# KiCad board main.kicad_pcb (continued)
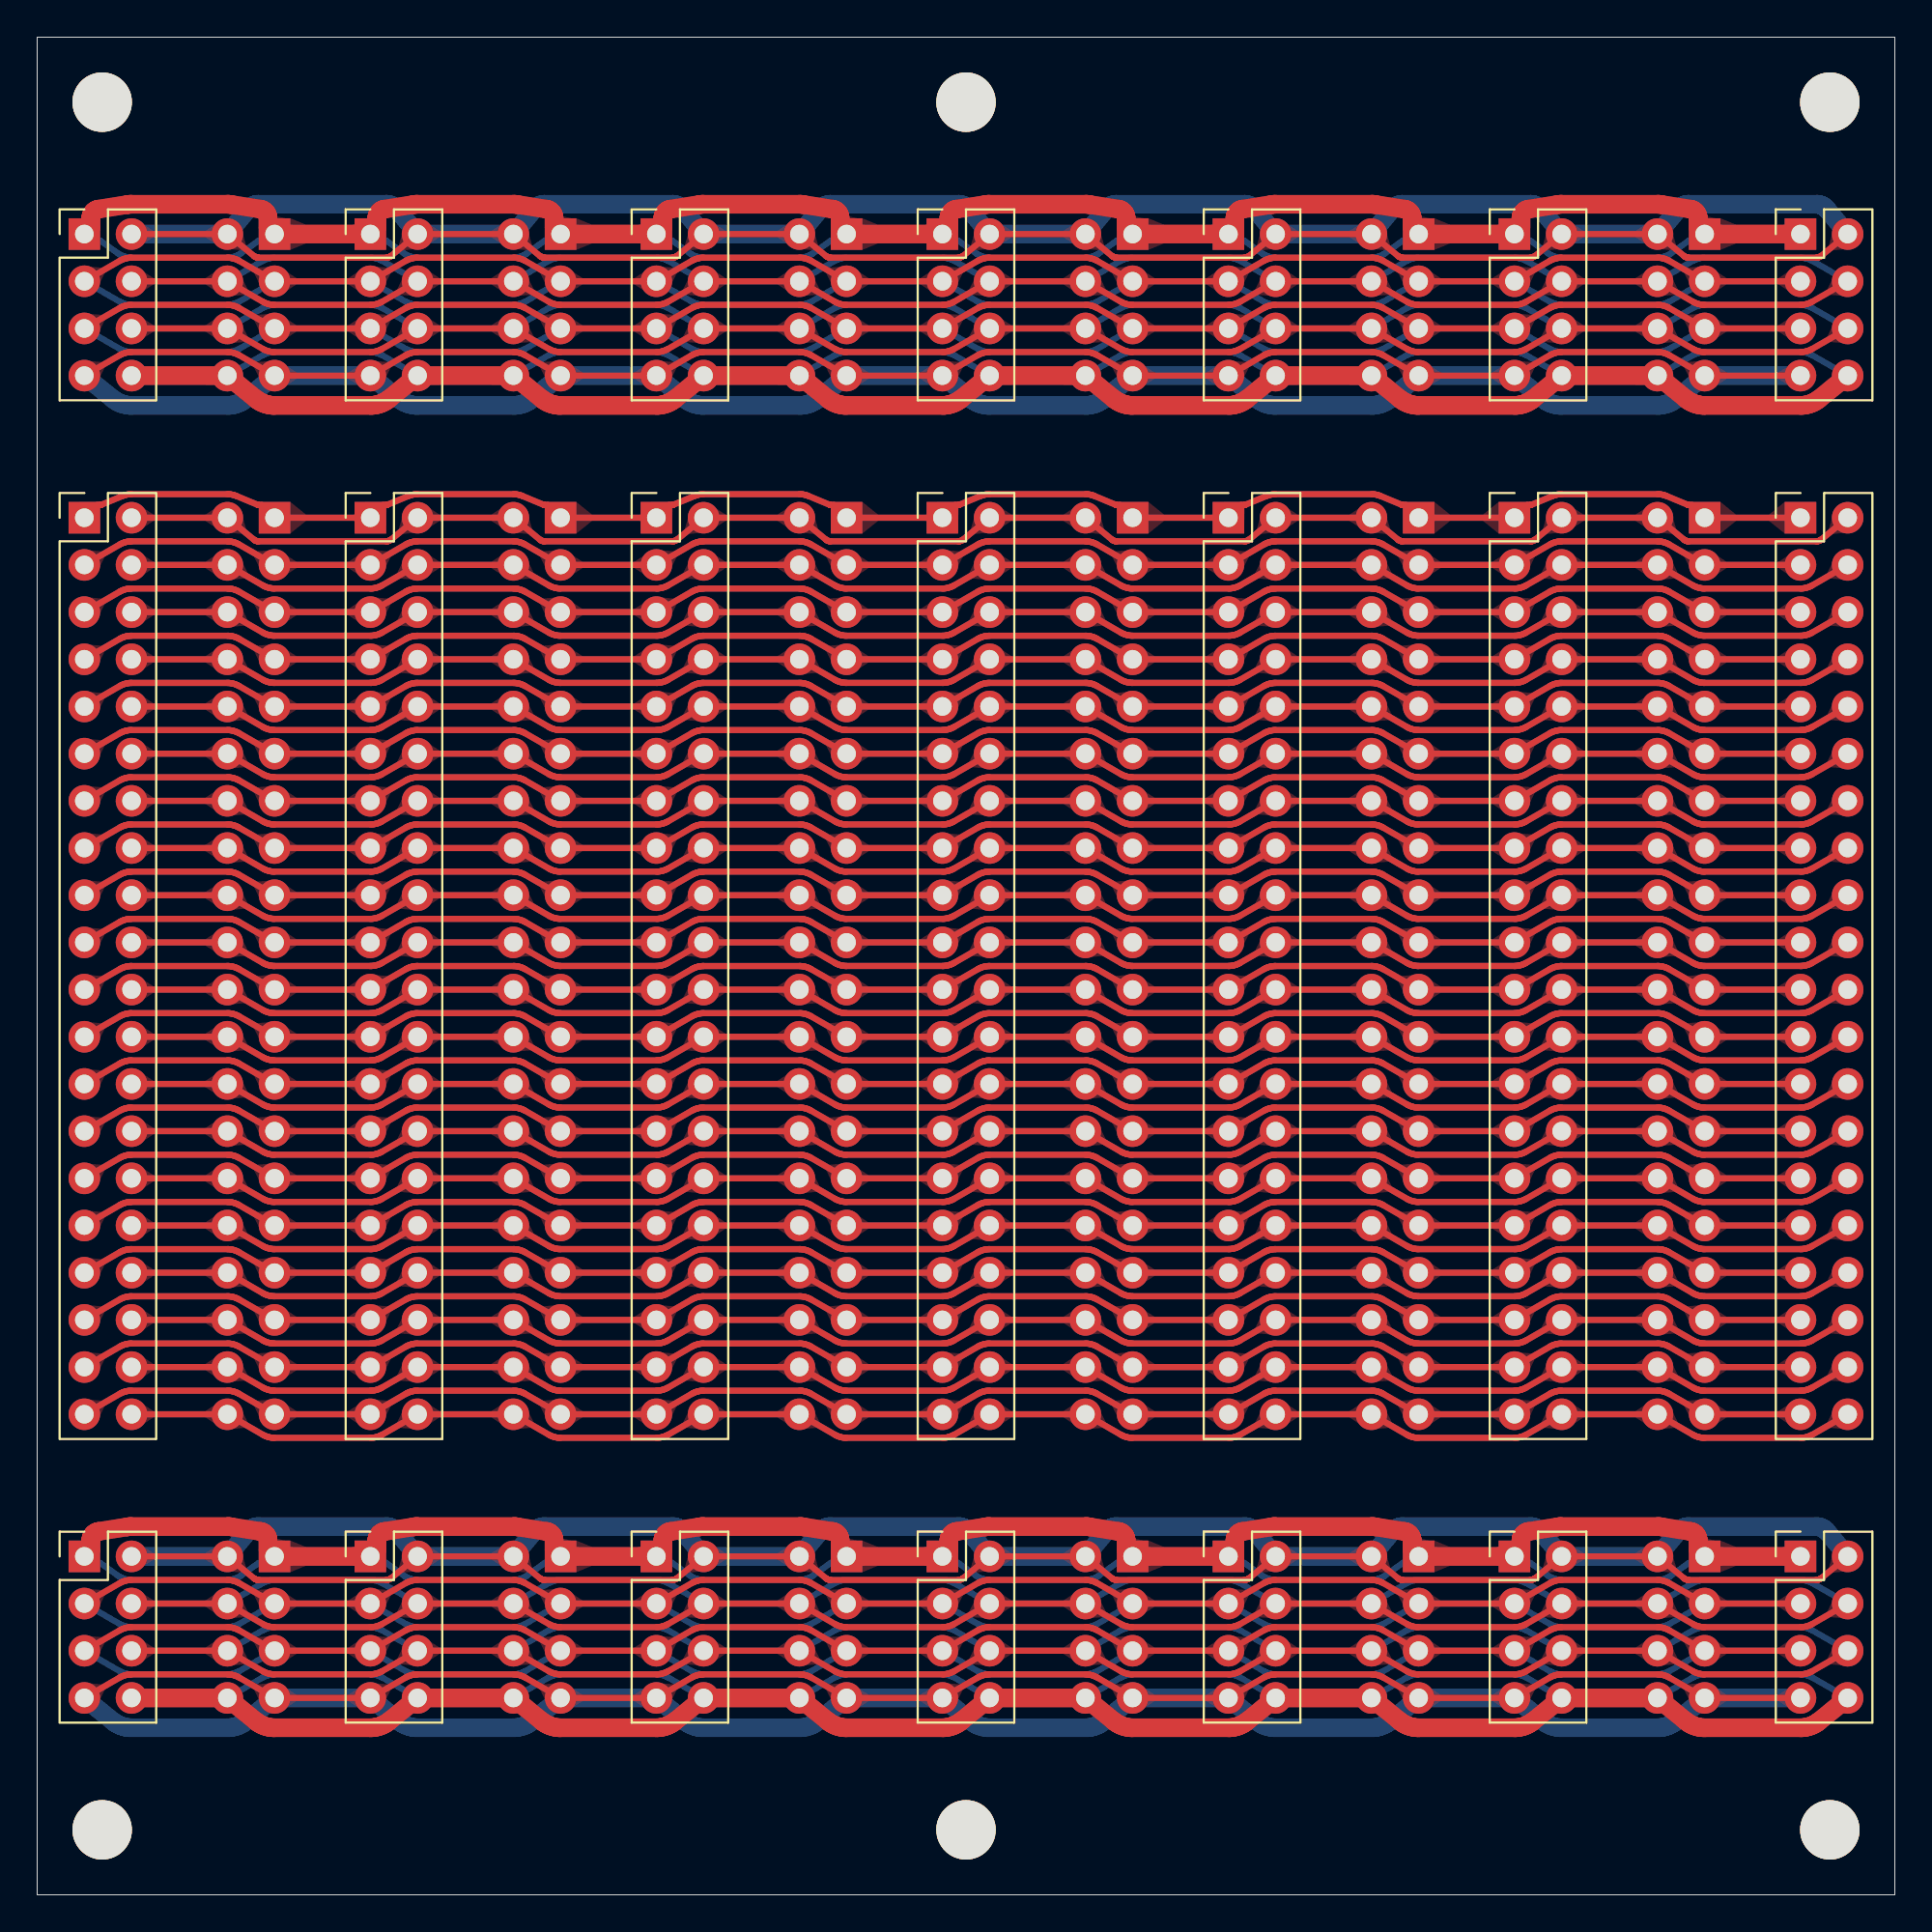
[diagram p0: board, top side]
## Routing (per net, layer and track width the routed paths; a pad name or vN(x,y) marks a point on that pad's centre or on a via; arc(x,y) is an arc through that point) (continued)
+12: length 195
  Top w0.33: J37.7 J19.7 87.86,82.88 87.8,82.91 87.75,82.93 87.69,82.96 87.64,82.98 87.58,83 87.52,83.01 87.46,83.03 87.4,83.04 87.34,83.04 87.28,83.05 87.22,83.05 82.06,83.05 82,83.05 81.94,83.04 81.88,83.04 81.82,83.03 81.76,83.01 81.71,83 81.65,82.98 81.59,82.96 81.54,82.93 81.48,82.91 81.43,82.88 J23.7 J20.7 72.46,82.88 72.41,82.91 72.35,82.93 72.3,82.96 72.24,82.98 72.18,83 72.12,83.01 72.07,83.03 72.01,83.04 71.95,83.04 71.89,83.05 71.83,83.05 66.67,83.05 66.61,83.05 66.55,83.04 66.49,83.04 66.43,83.03 66.37,83.01 66.31,83 66.25,82.98 66.2,82.96 66.14,82.93 66.09,82.91 66.03,82.88 J22.7 J24.7 57.06,82.88 57.01,82.91 56.96,82.93 56.9,82.96 56.84,82.98 56.79,83 56.73,83.01 56.67,83.03 56.61,83.04 56.55,83.04 56.49,83.05 56.43,83.05 51.27,83.05 51.21,83.05 51.15,83.04 51.09,83.04 51.03,83.03 50.97,83.01 50.91,83 50.85,82.98 50.8,82.96 50.74,82.93 50.69,82.91 50.64,82.88 J8.7 J4.7 41.67,82.88 41.61,82.91 41.56,82.93 41.5,82.96 41.45,82.98 41.39,83 41.33,83.01 41.27,83.03 41.21,83.04 41.15,83.04 41.09,83.05 41.03,83.05 35.87,83.05 35.81,83.05 35.75,83.04 35.69,83.04 35.63,83.03 35.57,83.01 35.52,83 35.46,82.98 35.4,82.96 35.35,82.93 35.29,82.91 35.24,82.88 J5.7 J7.7 26.27,82.88 26.22,82.91 26.16,82.93 26.11,82.96 26.05,82.98 25.99,83 25.93,83.01 25.88,83.03 25.82,83.04 25.76,83.04 25.7,83.05 25.63,83.05 20.48,83.05 20.42,83.05 20.36,83.04 20.3,83.04 20.24,83.03 20.18,83.01 20.12,83 20.06,82.98 20.01,82.96 19.95,82.93 19.9,82.91 19.84,82.88 J6.7 J21.7 10.87,82.88 10.82,82.91 10.77,82.93 10.71,82.96 10.65,82.98 10.6,83 10.54,83.01 10.48,83.03 10.42,83.04 10.36,83.04 10.3,83.05 10.24,83.05 5.08,83.05 5.02,83.05 4.96,83.04 4.9,83.04 4.84,83.03 4.78,83.01 4.72,83 4.66,82.98 4.61,82.96 4.55,82.93 4.5,82.91 4.45,82.88 J2.7
  Bottom w1: J2.7 4.07,80.54 4.13,80.49 4.19,80.44 4.26,80.4 4.33,80.36 4.4,80.33 4.47,80.3 4.54,80.27 4.62,80.24 4.69,80.22 4.77,80.21 4.85,80.19 4.92,80.18 5,80.18 5.08,80.18 10.24,80.18 10.32,80.18 10.39,80.18 10.47,80.19 10.55,80.21 10.63,80.22 10.7,80.24 10.78,80.27 10.85,80.3 10.92,80.33 10.99,80.36 11.06,80.4 11.13,80.44 11.19,80.49 11.25,80.54 J21.7 J6.7 19.46,80.54 19.53,80.49 19.59,80.44 19.66,80.4 19.72,80.36 19.79,80.33 19.87,80.3 19.94,80.27 20.01,80.24 20.09,80.22 20.17,80.21 20.24,80.19 20.32,80.18 20.4,80.18 20.48,80.18 25.63,80.18 25.71,80.18 25.79,80.18 25.87,80.19 25.95,80.21 26.02,80.22 26.1,80.24 26.17,80.27 26.25,80.3 26.32,80.33 26.39,80.36 26.46,80.4 26.52,80.44 26.59,80.49 26.65,80.54 J7.7 J5.7 34.86,80.54 34.92,80.49 34.99,80.44 35.05,80.4 35.12,80.36 35.19,80.33 35.26,80.3 35.34,80.27 35.41,80.24 35.49,80.22 35.56,80.21 35.64,80.19 35.72,80.18 35.79,80.18 35.87,80.18 41.03,80.18 41.11,80.18 41.19,80.18 41.27,80.19 41.34,80.21 41.42,80.22 41.5,80.24 41.57,80.27 41.64,80.3 41.71,80.33 41.78,80.36 41.85,80.4 41.92,80.44 41.98,80.49 42.05,80.54 J4.7 J8.7 50.26,80.54 50.32,80.49 50.38,80.44 50.45,80.4 50.52,80.36 50.59,80.33 50.66,80.3 50.73,80.27 50.81,80.24 50.88,80.22 50.96,80.21 51.04,80.19 51.11,80.18 51.19,80.18 51.27,80.18 56.43,80.18 56.51,80.18 56.58,80.18 56.66,80.19 56.74,80.21 56.82,80.22 56.89,80.24 56.97,80.27 57.04,80.3 57.11,80.33 57.18,80.36 57.25,80.4 57.32,80.44 57.38,80.49 57.44,80.54 J24.7 J22.7 65.65,80.54 65.72,80.49 65.78,80.44 65.85,80.4 65.91,80.36 65.98,80.33 66.06,80.3 66.13,80.27 66.2,80.24 66.28,80.22 66.36,80.21 66.43,80.19 66.51,80.18 66.59,80.18 66.67,80.18 71.83,80.18 71.9,80.18 71.98,80.18 72.06,80.19 72.14,80.21 72.21,80.22 72.29,80.24 72.36,80.27 72.44,80.3 72.51,80.33 72.58,80.36 72.65,80.4 72.71,80.44 72.78,80.49 72.84,80.54 J20.7 J23.7 81.05,80.54 81.11,80.49 81.18,80.44 81.24,80.4 81.31,80.36 81.38,80.33 81.45,80.3 81.53,80.27 81.6,80.24 81.68,80.22 81.75,80.21 81.83,80.19 81.91,80.18 81.98,80.18 82.06,80.18 87.22,80.18 87.3,80.18 87.38,80.18 87.46,80.19 87.53,80.21 87.61,80.22 87.69,80.24 87.76,80.27 87.83,80.3 87.9,80.33 87.97,80.36 88.04,80.4 88.11,80.44 88.17,80.49 88.24,80.54 J19.7 J37.7
-5: length 192.5
  Top w0.33: J2.5 4.45,85.42 4.5,85.45 4.55,85.47 4.61,85.5 4.66,85.52 4.72,85.54 4.78,85.55 4.84,85.57 4.9,85.58 4.96,85.58 5.02,85.59 5.08,85.59 10.24,85.59 10.3,85.59 10.36,85.58 10.42,85.58 10.48,85.57 10.54,85.55 10.6,85.54 10.65,85.52 10.71,85.5 10.77,85.47 10.82,85.45 10.87,85.42 J21.5 J6.5 19.84,85.42 19.9,85.45 19.95,85.47 20.01,85.5 20.06,85.52 20.12,85.54 20.18,85.55 20.24,85.57 20.3,85.58 20.36,85.58 20.42,85.59 20.48,85.59 25.63,85.59 25.7,85.59 25.76,85.58 25.82,85.58 25.88,85.57 25.93,85.55 25.99,85.54 26.05,85.52 26.11,85.5 26.16,85.47 26.22,85.45 26.27,85.42 J7.5 J5.5 35.24,85.42 35.29,85.45 35.35,85.47 35.4,85.5 35.46,85.52 35.52,85.54 35.57,85.55 35.63,85.57 35.69,85.58 35.75,85.58 35.81,85.59 35.87,85.59 41.03,85.59 41.09,85.59 41.15,85.58 41.21,85.58 41.27,85.57 41.33,85.55 41.39,85.54 41.45,85.52 41.5,85.5 41.56,85.47 41.61,85.45 41.67,85.42 J4.5 J8.5 50.64,85.42 50.69,85.45 50.74,85.47 50.8,85.5 50.85,85.52 50.91,85.54 50.97,85.55 51.03,85.57 51.09,85.58 51.15,85.58 51.21,85.59 51.27,85.59 56.43,85.59 56.49,85.59 56.55,85.58 56.61,85.58 56.67,85.57 56.73,85.55 56.79,85.54 56.84,85.52 56.9,85.5 56.96,85.47 57.01,85.45 57.06,85.42 J24.5 J22.5 66.03,85.42 66.09,85.45 66.14,85.47 66.2,85.5 66.25,85.52 66.31,85.54 66.37,85.55 66.43,85.57 66.49,85.58 66.55,85.58 66.61,85.59 66.67,85.59 71.83,85.59 71.89,85.59 71.95,85.58 72.01,85.58 72.07,85.57 72.12,85.55 72.18,85.54 72.24,85.52 72.3,85.5 72.35,85.47 72.41,85.45 72.46,85.42 J20.5 J23.5 81.43,85.42 81.48,85.45 81.54,85.47 81.59,85.5 81.65,85.52 81.71,85.54 81.76,85.55 81.82,85.57 81.88,85.58 81.94,85.58 82,85.59 82.06,85.59 87.22,85.59 87.28,85.59 87.34,85.58 87.4,85.58 87.46,85.57 87.52,85.55 87.58,85.54 87.64,85.52 87.69,85.5 87.75,85.47 87.8,85.45 87.86,85.42 J19.5 J37.5
  Bottom w0.33: J2.5 4.45,83.22 4.5,83.19 4.55,83.17 4.61,83.14 4.66,83.12 4.72,83.1 4.78,83.09 4.84,83.07 4.9,83.06 4.96,83.06 5.02,83.05 5.08,83.05 10.24,83.05 10.3,83.05 10.36,83.06 10.42,83.06 10.48,83.07 10.54,83.09 10.6,83.1 10.65,83.12 10.71,83.14 10.77,83.17 10.82,83.19 10.87,83.22 J21.5 J6.5 19.84,83.22 19.9,83.19 19.95,83.17 20.01,83.14 20.06,83.12 20.12,83.1 20.18,83.09 20.24,83.07 20.3,83.06 20.36,83.06 20.42,83.05 20.48,83.05 25.63,83.05 25.7,83.05 25.76,83.06 25.82,83.06 25.88,83.07 25.93,83.09 25.99,83.1 26.05,83.12 26.11,83.14 26.16,83.17 26.22,83.19 26.27,83.22 J7.5 J5.5 35.24,83.22 35.29,83.19 35.35,83.17 35.4,83.14 35.46,83.12 35.52,83.1 35.57,83.09 35.63,83.07 35.69,83.06 35.75,83.06 35.81,83.05 35.87,83.05 41.03,83.05 41.09,83.05 41.15,83.06 41.21,83.06 41.27,83.07 41.33,83.09 41.39,83.1 41.45,83.12 41.5,83.14 41.56,83.17 41.61,83.19 41.67,83.22 J4.5 J8.5 50.64,83.22 50.69,83.19 50.74,83.17 50.8,83.14 50.85,83.12 50.91,83.1 50.97,83.09 51.03,83.07 51.09,83.06 51.15,83.06 51.21,83.05 51.27,83.05 56.43,83.05 56.49,83.05 56.55,83.06 56.61,83.06 56.67,83.07 56.73,83.09 56.79,83.1 56.84,83.12 56.9,83.14 56.96,83.17 57.01,83.19 57.06,83.22 J24.5 J22.5 66.03,83.22 66.09,83.19 66.14,83.17 66.2,83.14 66.25,83.12 66.31,83.1 66.37,83.09 66.43,83.07 66.49,83.06 66.55,83.06 66.61,83.05 66.67,83.05 71.83,83.05 71.89,83.05 71.95,83.06 72.01,83.06 72.07,83.07 72.12,83.09 72.18,83.1 72.24,83.12 72.3,83.14 72.35,83.17 72.41,83.19 72.46,83.22 J20.5 J23.5 81.43,83.22 81.48,83.19 81.54,83.17 81.59,83.14 81.65,83.12 81.71,83.1 81.76,83.09 81.82,83.07 81.88,83.06 81.94,83.06 82,83.05 82.06,83.05 87.22,83.05 87.28,83.05 87.34,83.06 87.4,83.06 87.46,83.07 87.52,83.09 87.58,83.1 87.64,83.12 87.69,83.14 87.75,83.17 87.8,83.19 87.86,83.22 J19.5 J37.5
C1: length 200.4
  Top w1: J39.1 J17.1 89.41,18.57 89.41,19.07 89.41,19.1 89.41,19.13 89.4,19.15 89.4,19.18 89.39,19.21 89.38,19.24 89.37,19.26 89.36,19.29 89.35,19.31 89.33,19.34 89.32,19.36 89.3,19.38 89.28,19.41 89.26,19.43 89.24,19.44 89.22,19.46 89.2,19.48 89.17,19.5 89.15,19.51 89.12,19.52 89.1,19.53 89.07,19.54 89.05,19.55 89.02,19.56 88.99,19.56 87.47,19.8 87.43,19.81 87.39,19.82 87.35,19.82 87.31,19.82 87.26,19.82 87.22,19.82 82.06,19.82 82.02,19.82 81.98,19.82 81.94,19.82 81.9,19.82 81.85,19.81 81.81,19.8 80.29,19.56 80.27,19.56 80.24,19.55 80.21,19.54 80.19,19.53 80.16,19.52 80.14,19.51 80.11,19.5 80.09,19.48 80.06,19.46 80.04,19.44 80.02,19.43 80,19.41 79.98,19.38 79.97,19.36 79.95,19.34 79.94,19.31 79.92,19.29 79.91,19.26 79.9,19.24 79.89,19.21 79.89,19.18 79.88,19.15 79.88,19.13 79.87,19.1 79.87,19.07 79.87,18.57 J32.1 J18.1 74.02,18.57 74.02,19.07 74.01,19.1 74.01,19.13 74.01,19.15 74,19.18 74,19.21 73.99,19.24 73.98,19.26 73.96,19.29 73.95,19.31 73.94,19.34 73.92,19.36 73.9,19.38 73.89,19.41 73.87,19.43 73.85,19.44 73.82,19.46 73.8,19.48 73.78,19.5 73.75,19.51 73.73,19.52 73.7,19.53 73.68,19.54 73.65,19.55 73.62,19.56 73.59,19.56 72.08,19.8 72.03,19.81 71.99,19.82 71.95,19.82 71.91,19.82 71.87,19.82 71.83,19.82 66.67,19.82 66.62,19.82 66.58,19.82 66.54,19.82 66.5,19.82 66.46,19.81 66.42,19.8 64.9,19.56 64.87,19.56 64.84,19.55 64.82,19.54 64.79,19.53 64.76,19.52 64.74,19.51 64.71,19.5 64.69,19.48 64.67,19.46 64.65,19.44 64.63,19.43 64.61,19.41 64.59,19.38 64.57,19.36 64.55,19.34 64.54,19.31 64.53,19.29 64.52,19.26 64.51,19.24 64.5,19.21 64.49,19.18 64.48,19.15 64.48,19.13 64.48,19.1 64.48,19.07 64.48,18.57 J33.1 J34.1 58.62,18.57 58.62,19.07 58.62,19.1 58.62,19.13 58.61,19.15 58.61,19.18 58.6,19.21 58.59,19.24 58.58,19.26 58.57,19.29 58.55,19.31 58.54,19.34 58.52,19.36 58.51,19.38 58.49,19.41 58.47,19.43 58.45,19.44 58.43,19.46 58.4,19.48 58.38,19.5 58.36,19.51 58.33,19.52 58.31,19.53 58.28,19.54 58.25,19.55 58.22,19.56 58.2,19.56 56.68,19.8 56.64,19.81 56.6,19.82 56.55,19.82 56.51,19.82 56.47,19.82 56.43,19.82 51.27,19.82 51.23,19.82 51.19,19.82 51.14,19.82 51.1,19.82 51.06,19.81 51.02,19.8 49.5,19.56 49.47,19.56 49.45,19.55 49.42,19.54 49.39,19.53 49.37,19.52 49.34,19.51 49.32,19.5 49.29,19.48 49.27,19.46 49.25,19.44 49.23,19.43 49.21,19.41 49.19,19.38 49.17,19.36 49.16,19.34 49.14,19.31 49.13,19.29 49.12,19.26 49.11,19.24 49.1,19.21 49.09,19.18 49.09,19.15 49.08,19.13 49.08,19.1 49.08,19.07 49.08,18.57 J31.1 J14.1 43.22,18.57 43.22,19.07 43.22,19.1 43.22,19.13 43.21,19.15 43.21,19.18 43.2,19.21 43.19,19.24 43.18,19.26 43.17,19.29 43.16,19.31 43.14,19.34 43.13,19.36 43.11,19.38 43.09,19.41 43.07,19.43 43.05,19.44 43.03,19.46 43.01,19.48 42.98,19.5 42.96,19.51 42.93,19.52 42.91,19.53 42.88,19.54 42.86,19.55 42.83,19.56 42.8,19.56 41.28,19.8 41.24,19.81 41.2,19.82 41.16,19.82 41.12,19.82 41.07,19.82 41.03,19.82 35.87,19.82 35.83,19.82 35.79,19.82 35.75,19.82 35.71,19.82 35.66,19.81 35.62,19.8 34.1,19.56 34.08,19.56 34.05,19.55 34.02,19.54 34,19.53 33.97,19.52 33.95,19.51 33.92,19.5 33.9,19.48 33.87,19.46 33.85,19.44 33.83,19.43 33.81,19.41 33.79,19.38 33.78,19.36 33.76,19.34 33.75,19.31 33.73,19.29 33.72,19.26 33.71,19.24 33.7,19.21 33.7,19.18 33.69,19.15 33.69,19.13 33.68,19.1 33.68,19.07 33.68,18.57 J35.1 J15.1 27.83,18.57 27.83,19.07 27.82,19.1 27.82,19.13 27.82,19.15 27.81,19.18 27.81,19.21 27.8,19.24 27.79,19.26 27.77,19.29 27.76,19.31 27.75,19.34 27.73,19.36 27.71,19.38 27.7,19.41 27.68,19.43 27.66,19.44 27.63,19.46 27.61,19.48 27.59,19.5 27.56,19.51 27.54,19.52 27.51,19.53 27.49,19.54 27.46,19.55 27.43,19.56 27.4,19.56 25.89,19.8 25.84,19.81 25.8,19.82 25.76,19.82 25.72,19.82 25.68,19.82 25.63,19.82 20.48,19.82 20.43,19.82 20.39,19.82 20.35,19.82 20.31,19.82 20.27,19.81 20.23,19.8 18.71,19.56 18.68,19.56 18.65,19.55 18.63,19.54 18.6,19.53 18.57,19.52 18.55,19.51 18.52,19.5 18.5,19.48 18.48,19.46 18.46,19.44 18.44,19.43 18.42,19.41 18.4,19.38 18.38,19.36 18.36,19.34 18.35,19.31 18.34,19.29 18.33,19.26 18.32,19.24 18.31,19.21 18.3,19.18 18.29,19.15 18.29,19.13 18.29,19.1 18.29,19.07 18.29,18.57 J36.1 J16.1 12.43,18.57 12.43,19.07 12.43,19.1 12.43,19.13 12.42,19.15 12.42,19.18 12.41,19.21 12.4,19.24 12.39,19.26 12.38,19.29 12.36,19.31 12.35,19.34 12.33,19.36 12.32,19.38 12.3,19.41 12.28,19.43 12.26,19.44 12.24,19.46 12.21,19.48 12.19,19.5 12.17,19.51 12.14,19.52 12.12,19.53 12.09,19.54 12.06,19.55 12.03,19.56 12.01,19.56 10.49,19.8 10.45,19.81 10.41,19.82 10.36,19.82 10.32,19.82 10.28,19.82 10.24,19.82 5.08,19.82 5.04,19.82 5,19.82 4.95,19.82 4.91,19.82 4.87,19.81 4.83,19.8 3.31,19.56 3.28,19.56 3.26,19.55 3.23,19.54 3.2,19.53 3.18,19.52 3.15,19.51 3.13,19.5 3.1,19.48 3.08,19.46 3.06,19.44 3.04,19.43 3.02,19.41 3,19.38 2.98,19.36 2.97,19.34 2.95,19.31 2.94,19.29 2.93,19.26 2.92,19.24 2.91,19.21 2.9,19.18 2.9,19.15 2.89,19.13 2.89,19.1 2.89,19.07 2.89,18.57 J1.1
  Bottom w0.33: J39.1 J17.1 89.08,17.87 88.91,17.87 87.96,17.19 87.91,17.15 87.86,17.12 87.81,17.09 87.75,17.07 87.7,17.04 87.64,17.02 87.58,17 87.52,16.99 87.46,16.97 87.4,16.96 87.34,16.96 87.28,16.95 87.22,16.95 82.06,16.95 82,16.95 81.94,16.96 81.88,16.96 81.82,16.97 81.76,16.99 81.7,17 81.65,17.02 81.59,17.04 81.53,17.07 81.48,17.09 81.43,17.12 81.37,17.15 81.32,17.19 80.37,17.87 80.21,17.87 J32.1 J18.1 73.68,17.87 73.52,17.87 72.56,17.19 ; J1.1 3.23,17.87 3.39,17.87 4.34,17.19 4.39,17.15 4.44,17.12 4.5,17.09 4.55,17.07 4.61,17.04 4.66,17.02 4.72,17 4.78,16.99 4.84,16.97 4.9,16.96 4.96,16.96 5.02,16.95 5.08,16.95 10.24,16.95 10.3,16.95 10.36,16.96 10.42,16.96 10.48,16.97 10.54,16.99 10.6,17 10.66,17.02 10.71,17.04 10.77,17.07 10.82,17.09 10.88,17.12 10.93,17.15 10.98,17.19 11.93,17.87 12.09,17.87 J16.1 J36.1 18.62,17.87 18.79,17.87 19.74,17.19 19.79,17.15 19.84,17.12 19.89,17.09 19.95,17.07 20,17.04 20.06,17.02 20.12,17 20.18,16.99 20.24,16.97 20.3,16.96 20.36,16.96 20.42,16.95 20.48,16.95 25.63,16.95 25.7,16.95 25.76,16.96 25.82,16.96 25.88,16.97 25.94,16.99 25.99,17 26.05,17.02 26.11,17.04 26.17,17.07 26.22,17.09 26.27,17.12 26.32,17.15 26.38,17.19 27.33,17.87 27.49,17.87 J15.1 J35.1 34.02,17.87 34.18,17.87 35.13,17.19 35.18,17.15 35.24,17.12 35.29,17.09 35.34,17.07 35.4,17.04 35.46,17.02 35.51,17 35.57,16.99 35.63,16.97 35.69,16.96 35.75,16.96 35.81,16.95 35.87,16.95 41.03,16.95 41.09,16.95 41.15,16.96 41.21,16.96 41.27,16.97 41.33,16.99 41.39,17 41.45,17.02 41.51,17.04 41.56,17.07 41.62,17.09 41.67,17.12 41.72,17.15 41.77,17.19 42.72,17.87 42.89,17.87 J14.1 J31.1 49.42,17.87 49.58,17.87 50.53,17.19 50.58,17.15 50.63,17.12 50.69,17.09 50.74,17.07 50.8,17.04 50.85,17.02 50.91,17 50.97,16.99 51.03,16.97 51.09,16.96 51.15,16.96 51.21,16.95 51.27,16.95 56.43,16.95 56.49,16.95 56.55,16.96 56.61,16.96 56.67,16.97 56.73,16.99 56.79,17 56.85,17.02 56.9,17.04 56.96,17.07 57.01,17.09 57.07,17.12 57.12,17.15 57.17,17.19 58.12,17.87 58.28,17.87 J34.1 J33.1 64.81,17.87 64.98,17.87 65.93,17.19 65.98,17.15 66.03,17.12 66.08,17.09 66.14,17.07 66.19,17.04 66.25,17.02 66.31,17 66.37,16.99 66.43,16.97 66.49,16.96 66.55,16.96 66.61,16.95 66.67,16.95 71.83,16.95 71.89,16.95 71.95,16.96 72.01,16.96 72.07,16.97 72.13,16.99 72.18,17 72.24,17.02 72.3,17.04 72.36,17.07 72.41,17.09 72.46,17.12 72.51,17.15 72.57,17.19
C2: length 198.6
  Top w0.33: J39.2 96.04,17.05 96.02,17.03 96,17.02 95.99,17.01 95.97,17 95.95,16.99 95.93,16.98 95.91,16.98 95.89,16.97 95.87,16.96 95.85,16.96 95.83,16.96 95.81,16.95 95.79,16.95 95.77,16.95 88.91,16.95 88.89,16.95 88.87,16.95 88.85,16.96 88.83,16.96 88.81,16.96 88.79,16.97 88.77,16.98 88.75,16.98 88.73,16.99 88.71,17 88.7,17.01 88.68,17.02 88.66,17.03 88.64,17.05 J17.2 J32.2 80.64,17.05 80.62,17.03 80.61,17.02 80.59,17.01 80.57,17 80.55,16.99 80.53,16.98 80.52,16.98 80.5,16.97 80.48,16.96 80.46,16.96 80.44,16.96 80.41,16.95 80.39,16.95 80.37,16.95 73.52,16.95 73.49,16.95 73.47,16.95 73.45,16.96 73.43,16.96 73.41,16.96 73.39,16.97 73.37,16.98 73.35,16.98 73.34,16.99 73.32,17 73.3,17.01 73.28,17.02 73.26,17.03 73.25,17.05 J18.2 J33.2 65.24,17.05 65.23,17.03 65.21,17.02 65.19,17.01 65.18,17 65.16,16.99 65.14,16.98 65.12,16.98 65.1,16.97 65.08,16.96 65.06,16.96 65.04,16.96 65.02,16.95 65,16.95 64.98,16.95 58.12,16.95 58.1,16.95 58.08,16.95 58.06,16.96 58.04,16.96 58.02,16.96 58,16.97 57.98,16.98 57.96,16.98 57.94,16.99 57.92,17 57.9,17.01 57.88,17.02 57.87,17.03 57.85,17.05 J34.2 J31.2 49.85,17.05 49.83,17.03 49.81,17.02 49.8,17.01 49.78,17 49.76,16.99 49.74,16.98 49.72,16.98 49.7,16.97 49.68,16.96 49.66,16.96 49.64,16.96 49.62,16.95 49.6,16.95 49.58,16.95 42.72,16.95 42.7,16.95 42.68,16.95 42.66,16.96 42.64,16.96 42.62,16.96 42.6,16.97 42.58,16.98 42.56,16.98 42.54,16.99 42.52,17 42.51,17.01 42.49,17.02 42.47,17.03 42.45,17.05 J14.2 J35.2 34.45,17.05 34.43,17.03 34.42,17.02 34.4,17.01 34.38,17 34.36,16.99 34.34,16.98 34.33,16.98 34.31,16.97 34.29,16.96 34.27,16.96 34.25,16.96 34.22,16.95 34.2,16.95 34.18,16.95 27.33,16.95 27.3,16.95 27.28,16.95 27.26,16.96 27.24,16.96 27.22,16.96 27.2,16.97 27.18,16.98 27.16,16.98 27.15,16.99 27.13,17 27.11,17.01 27.09,17.02 27.07,17.03 27.06,17.05 J15.2 J36.2 19.05,17.05 19.04,17.03 19.02,17.02 19,17.01 18.99,17 18.97,16.99 18.95,16.98 18.93,16.98 18.91,16.97 18.89,16.96 18.87,16.96 18.85,16.96 18.83,16.95 18.81,16.95 18.79,16.95 11.93,16.95 11.91,16.95 11.89,16.95 11.87,16.96 11.85,16.96 11.83,16.96 11.81,16.97 11.79,16.98 11.77,16.98 11.75,16.99 11.73,17 11.71,17.01 11.69,17.02 11.68,17.03 11.66,17.05 J16.2 J1.2
  Bottom w1: J1.2 J16.2 11.35,19.55 11.37,19.58 11.4,19.61 11.43,19.64 11.46,19.66 11.49,19.68 11.52,19.71 11.56,19.73 11.59,19.74 11.63,19.76 11.66,19.78 11.7,19.79 11.74,19.8 11.77,19.81 11.81,19.82 11.85,19.82 11.89,19.82 11.93,19.82 18.79,19.82 18.83,19.82 18.86,19.82 18.9,19.82 18.94,19.81 18.98,19.8 19.02,19.79 19.05,19.78 19.09,19.76 19.12,19.74 19.16,19.73 19.19,19.71 19.22,19.68 19.26,19.66 19.29,19.64 19.31,19.61 19.34,19.58 19.37,19.55 J36.2 J15.2 26.75,19.55 26.77,19.58 26.8,19.61 26.83,19.64 26.86,19.66 26.89,19.68 26.92,19.71 26.95,19.73 26.99,19.74 27.02,19.76 27.06,19.78 27.1,19.79 27.13,19.8 27.17,19.81 27.21,19.82 27.25,19.82 27.29,19.82 27.33,19.82 34.18,19.82 34.22,19.82 34.26,19.82 34.3,19.82 34.34,19.81 34.38,19.8 34.41,19.79 34.45,19.78 34.49,19.76 34.52,19.74 34.56,19.73 34.59,19.71 34.62,19.68 34.65,19.66 34.68,19.64 34.71,19.61 34.74,19.58 34.76,19.55 J35.2 J14.2 42.14,19.55 42.17,19.58 42.19,19.61 42.22,19.64 42.25,19.66 42.28,19.68 42.32,19.71 42.35,19.73 42.38,19.74 42.42,19.76 42.46,19.78 42.49,19.79 42.53,19.8 42.57,19.81 42.61,19.82 42.64,19.82 42.68,19.82 42.72,19.82 49.58,19.82 49.62,19.82 49.66,19.82 49.7,19.82 49.73,19.81 49.77,19.8 49.81,19.79 49.85,19.78 49.88,19.76 49.92,19.74 49.95,19.73 49.99,19.71 50.02,19.68 50.05,19.66 50.08,19.64 50.11,19.61 50.13,19.58 50.16,19.55 J31.2 J34.2 57.54,19.55 57.56,19.58 57.59,19.61 57.62,19.64 57.65,19.66 57.68,19.68 57.71,19.71 57.75,19.73 57.78,19.74 57.82,19.76 57.85,19.78 57.89,19.79 57.93,19.8 57.96,19.81 58,19.82 58.04,19.82 58.08,19.82 58.12,19.82 64.98,19.82 65.02,19.82 65.05,19.82 65.09,19.82 65.13,19.81 65.17,19.8 65.21,19.79 65.24,19.78 65.28,19.76 65.31,19.74 65.35,19.73 65.38,19.71 65.41,19.68 65.45,19.66 65.48,19.64 65.5,19.61 65.53,19.58 65.56,19.55 J33.2 J18.2 72.94,19.55 72.96,19.58 72.99,19.61 73.02,19.64 73.05,19.66 73.08,19.68 73.11,19.71 73.14,19.73 73.18,19.74 73.21,19.76 73.25,19.78 73.29,19.79 73.32,19.8 73.36,19.81 73.4,19.82 73.44,19.82 73.48,19.82 73.52,19.82 80.37,19.82 80.41,19.82 80.45,19.82 80.49,19.82 80.53,19.81 80.57,19.8 80.6,19.79 80.64,19.78 80.68,19.76 80.71,19.74 80.75,19.73 80.78,19.71 80.81,19.68 80.84,19.66 80.87,19.64 80.9,19.61 80.93,19.58 80.95,19.55 J32.2 J17.2 88.33,19.55 88.36,19.58 88.38,19.61 88.41,19.64 88.44,19.66 88.47,19.68 88.51,19.71 88.54,19.73 88.57,19.74 88.61,19.76 88.65,19.78 88.68,19.79 88.72,19.8 88.76,19.81 88.8,19.82 88.83,19.82 88.87,19.82 88.91,19.82 95.77,19.82 95.81,19.82 95.85,19.82 95.89,19.82 95.92,19.81 95.96,19.8 96,19.79 96.04,19.78 96.07,19.76 96.11,19.74 96.14,19.73 96.18,19.71 96.21,19.68 96.24,19.66 96.27,19.64 96.3,19.61 96.32,19.58 96.35,19.55 J39.2
C3: length 192.5
  Top w0.33: J39.3 J17.3 87.86,16.78 87.8,16.81 87.75,16.83 87.69,16.86 87.64,16.88 87.58,16.9 87.52,16.91 87.46,16.93 87.4,16.94 87.34,16.94 87.28,16.95 87.22,16.95 82.06,16.95 82,16.95 81.94,16.94 81.88,16.94 81.82,16.93 81.76,16.91 81.71,16.9 81.65,16.88 81.59,16.86 81.54,16.83 81.48,16.81 81.43,16.78 J32.3 J18.3 72.46,16.78 72.41,16.81 72.35,16.83 72.3,16.86 72.24,16.88 72.18,16.9 72.12,16.91 72.07,16.93 72.01,16.94 71.95,16.94 71.89,16.95 71.83,16.95 66.67,16.95 66.61,16.95 66.55,16.94 66.49,16.94 66.43,16.93 66.37,16.91 66.31,16.9 66.25,16.88 66.2,16.86 66.14,16.83 66.09,16.81 66.03,16.78 J33.3 J34.3 57.06,16.78 57.01,16.81 56.96,16.83 56.9,16.86 56.84,16.88 56.79,16.9 56.73,16.91 56.67,16.93 56.61,16.94 56.55,16.94 56.49,16.95 56.43,16.95 51.27,16.95 51.21,16.95 51.15,16.94 51.09,16.94 51.03,16.93 50.97,16.91 50.91,16.9 50.85,16.88 50.8,16.86 50.74,16.83 50.69,16.81 50.64,16.78 J31.3 J14.3 41.67,16.78 41.61,16.81 41.56,16.83 41.5,16.86 41.45,16.88 41.39,16.9 41.33,16.91 41.27,16.93 41.21,16.94 41.15,16.94 41.09,16.95 41.03,16.95 35.87,16.95 35.81,16.95 35.75,16.94 35.69,16.94 35.63,16.93 35.57,16.91 35.52,16.9 35.46,16.88 35.4,16.86 35.35,16.83 35.29,16.81 35.24,16.78 J35.3 J15.3 26.27,16.78 26.22,16.81 26.16,16.83 26.11,16.86 26.05,16.88 25.99,16.9 25.93,16.91 25.88,16.93 25.82,16.94 25.76,16.94 25.7,16.95 25.63,16.95 20.48,16.95 20.42,16.95 20.36,16.94 20.3,16.94 20.24,16.93 20.18,16.91 20.12,16.9 20.06,16.88 20.01,16.86 19.95,16.83 19.9,16.81 19.84,16.78 J36.3 J16.3 10.87,16.78 10.82,16.81 10.77,16.83 10.71,16.86 10.65,16.88 10.6,16.9 10.54,16.91 10.48,16.93 10.42,16.94 10.36,16.94 10.3,16.95 10.24,16.95 5.08,16.95 5.02,16.95 4.96,16.94 4.9,16.94 4.84,16.93 4.78,16.91 4.72,16.9 4.66,16.88 4.61,16.86 4.55,16.83 4.5,16.81 4.45,16.78 J1.3
  Bottom w0.33: J39.3 J17.3 87.86,14.58 87.8,14.55 87.75,14.53 87.69,14.5 87.64,14.48 87.58,14.46 87.52,14.45 87.46,14.43 87.4,14.42 87.34,14.42 87.28,14.41 87.22,14.41 82.06,14.41 82,14.41 81.94,14.42 81.88,14.42 81.82,14.43 81.76,14.45 81.71,14.46 81.65,14.48 81.59,14.5 81.54,14.53 81.48,14.55 81.43,14.58 J32.3 J18.3 72.46,14.58 72.41,14.55 72.35,14.53 72.3,14.5 72.24,14.48 72.18,14.46 72.12,14.45 72.07,14.43 72.01,14.42 71.95,14.42 71.89,14.41 71.83,14.41 66.67,14.41 66.61,14.41 66.55,14.42 66.49,14.42 66.43,14.43 66.37,14.45 66.31,14.46 66.25,14.48 66.2,14.5 66.14,14.53 66.09,14.55 66.03,14.58 J33.3 J34.3 57.06,14.58 57.01,14.55 56.96,14.53 56.9,14.5 56.84,14.48 56.79,14.46 56.73,14.45 56.67,14.43 56.61,14.42 56.55,14.42 56.49,14.41 56.43,14.41 51.27,14.41 51.21,14.41 51.15,14.42 51.09,14.42 51.03,14.43 50.97,14.45 50.91,14.46 50.85,14.48 50.8,14.5 50.74,14.53 50.69,14.55 50.64,14.58 J31.3 J14.3 41.67,14.58 41.61,14.55 41.56,14.53 41.5,14.5 41.45,14.48 41.39,14.46 41.33,14.45 41.27,14.43 41.21,14.42 41.15,14.42 41.09,14.41 41.03,14.41 35.87,14.41 35.81,14.41 35.75,14.42 35.69,14.42 35.63,14.43 35.57,14.45 35.52,14.46 35.46,14.48 35.4,14.5 35.35,14.53 35.29,14.55 35.24,14.58 J35.3 J15.3 26.27,14.58 26.22,14.55 26.16,14.53 26.11,14.5 26.05,14.48 25.99,14.46 25.93,14.45 25.88,14.43 25.82,14.42 25.76,14.42 25.7,14.41 25.63,14.41 20.48,14.41 20.42,14.41 20.36,14.42 20.3,14.42 20.24,14.43 20.18,14.45 20.12,14.46 20.06,14.48 20.01,14.5 19.95,14.53 19.9,14.55 19.84,14.58 J36.3 J16.3 10.87,14.58 10.82,14.55 10.77,14.53 10.71,14.5 10.65,14.48 10.6,14.46 10.54,14.45 10.48,14.43 10.42,14.42 10.36,14.42 10.3,14.41 10.24,14.41 5.08,14.41 5.02,14.41 4.96,14.42 4.9,14.42 4.84,14.43 4.78,14.45 4.72,14.46 4.66,14.48 4.61,14.5 4.55,14.53 4.5,14.55 4.45,14.58 J1.3
C4: length 192.5
  Top w0.33: J1.4 J16.4 12.14,14.58 12.2,14.55 12.25,14.53 12.31,14.5 12.36,14.48 12.42,14.46 12.48,14.45 12.54,14.43 12.6,14.42 12.66,14.42 12.72,14.41 12.78,14.41 17.94,14.41 18,14.41 18.06,14.42 18.12,14.42 18.18,14.43 18.24,14.45 18.29,14.46 18.35,14.48 18.41,14.5 18.46,14.53 18.52,14.55 18.57,14.58 J36.4 J15.4 27.54,14.58 27.59,14.55 27.65,14.53 27.7,14.5 27.76,14.48 27.82,14.46 27.88,14.45 27.93,14.43 27.99,14.42 28.05,14.42 28.11,14.41 28.17,14.41 33.33,14.41 33.39,14.41 33.45,14.42 33.51,14.42 33.57,14.43 33.63,14.45 33.69,14.46 33.75,14.48 33.8,14.5 33.86,14.53 33.91,14.55 33.97,14.58 J35.4 J14.4 42.94,14.58 42.99,14.55 43.04,14.53 43.1,14.5 43.16,14.48 43.21,14.46 43.27,14.45 43.33,14.43 43.39,14.42 43.45,14.42 43.51,14.41 43.57,14.41 48.73,14.41 48.79,14.41 48.85,14.42 48.91,14.42 48.97,14.43 49.03,14.45 49.09,14.46 49.15,14.48 49.2,14.5 49.26,14.53 49.31,14.55 49.36,14.58 J31.4 J34.4 58.33,14.58 58.39,14.55 58.44,14.53 58.5,14.5 58.55,14.48 58.61,14.46 58.67,14.45 58.73,14.43 58.79,14.42 58.85,14.42 58.91,14.41 58.97,14.41 64.13,14.41 64.19,14.41 64.25,14.42 64.31,14.42 64.37,14.43 64.43,14.45 64.48,14.46 64.54,14.48 64.6,14.5 64.65,14.53 64.71,14.55 64.76,14.58 J33.4 J18.4 73.73,14.58 73.78,14.55 73.84,14.53 73.89,14.5 73.95,14.48 74.01,14.46 74.07,14.45 74.12,14.43 74.18,14.42 74.24,14.42 74.3,14.41 74.36,14.41 79.52,14.41 79.58,14.41 79.64,14.42 79.7,14.42 79.76,14.43 79.82,14.45 79.88,14.46 79.94,14.48 79.99,14.5 80.05,14.53 80.1,14.55 80.16,14.58 J32.4 J17.4 89.13,14.58 89.18,14.55 89.23,14.53 89.29,14.5 89.35,14.48 89.4,14.46 89.46,14.45 89.52,14.43 89.58,14.42 89.64,14.42 89.7,14.41 89.76,14.41 94.92,14.41 94.98,14.41 95.04,14.42 95.1,14.42 95.16,14.43 95.22,14.45 95.28,14.46 95.34,14.48 95.39,14.5 95.45,14.53 95.5,14.55 95.55,14.58 J39.4
  Bottom w0.33: J1.4 J16.4 12.14,16.78 12.2,16.81 12.25,16.83 12.31,16.86 12.36,16.88 12.42,16.9 12.48,16.91 12.54,16.93 12.6,16.94 12.66,16.94 12.72,16.95 12.78,16.95 17.94,16.95 18,16.95 18.06,16.94 18.12,16.94 18.18,16.93 18.24,16.91 18.29,16.9 18.35,16.88 18.41,16.86 18.46,16.83 18.52,16.81 18.57,16.78 J36.4 J15.4 27.54,16.78 27.59,16.81 27.65,16.83 27.7,16.86 27.76,16.88 27.82,16.9 27.88,16.91 27.93,16.93 27.99,16.94 28.05,16.94 28.11,16.95 28.17,16.95 33.33,16.95 33.39,16.95 33.45,16.94 33.51,16.94 33.57,16.93 33.63,16.91 33.69,16.9 33.75,16.88 33.8,16.86 33.86,16.83 33.91,16.81 33.97,16.78 J35.4 J14.4 42.94,16.78 42.99,16.81 43.04,16.83 43.1,16.86 43.16,16.88 43.21,16.9 43.27,16.91 43.33,16.93 43.39,16.94 43.45,16.94 43.51,16.95 43.57,16.95 48.73,16.95 48.79,16.95 48.85,16.94 48.91,16.94 48.97,16.93 49.03,16.91 49.09,16.9 49.15,16.88 49.2,16.86 49.26,16.83 49.31,16.81 49.36,16.78 J31.4 J34.4 58.33,16.78 58.39,16.81 58.44,16.83 58.5,16.86 58.55,16.88 58.61,16.9 58.67,16.91 58.73,16.93 58.79,16.94 58.85,16.94 58.91,16.95 58.97,16.95 64.13,16.95 64.19,16.95 64.25,16.94 64.31,16.94 64.37,16.93 64.43,16.91 64.48,16.9 64.54,16.88 64.6,16.86 64.65,16.83 64.71,16.81 64.76,16.78 J33.4 J18.4 73.73,16.78 73.78,16.81 73.84,16.83 73.89,16.86 73.95,16.88 74.01,16.9 74.07,16.91 74.12,16.93 74.18,16.94 74.24,16.94 74.3,16.95 74.36,16.95 79.52,16.95 79.58,16.95 79.64,16.94 79.7,16.94 79.76,16.93 79.82,16.91 79.88,16.9 79.94,16.88 79.99,16.86 80.05,16.83 80.1,16.81 80.16,16.78 J32.4 J17.4 89.13,16.78 89.18,16.81 89.23,16.83 89.29,16.86 89.35,16.88 89.4,16.9 89.46,16.91 89.52,16.93 89.58,16.94 89.64,16.94 89.7,16.95 89.76,16.95 94.92,16.95 94.98,16.95 95.04,16.94 95.1,16.94 95.16,16.93 95.22,16.91 95.28,16.9 95.34,16.88 95.39,16.86 95.45,16.83 95.5,16.81 95.55,16.78 J39.4